# Altium PCB PuttPilot-Dev.PcbDoc (part 2 of 2) (continued)
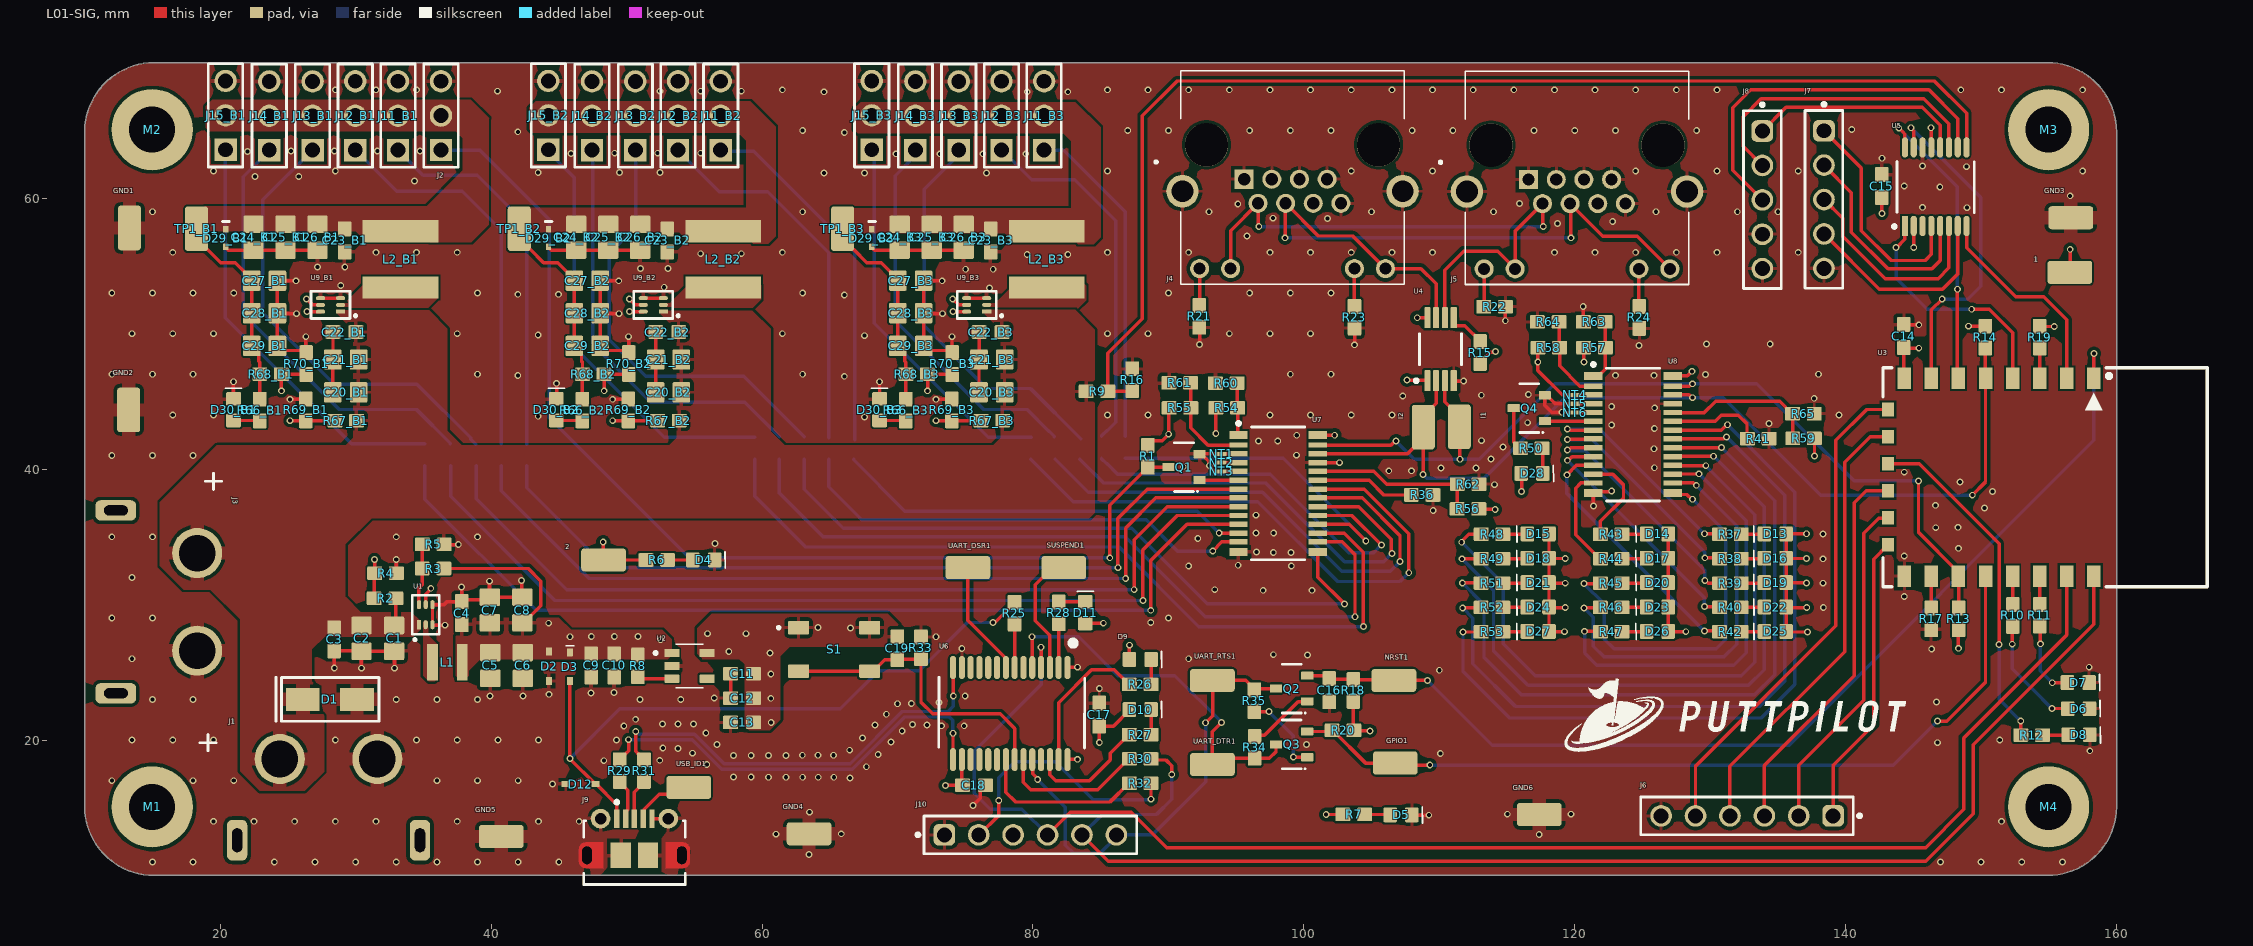
[diagram p0: L01-SIG view]
## Nets (pads, with @x,y where several pads share a name; then routed paths per layer and width w, separated by ;. In a path a pad name is that pad's centre, name@x,y a point inside that pad or via, vN(x,y) a via of type N, cw(c..) or ccw(c..) an arc to the next point about the centre after c; other vN are vias at no path point) (continued)
LED_PWM_10: R47.1 U8.17 | length 32.1
  L01-SIG w0.254: v1(120.725,28.025) 121.854,28.025 R47.1@121.893,27.986 ; U8.17@127.226,39.626 127.238,39.638 129.163,39.638 v1(129.175,39.65)
  L04-SIG w0.254: v1(120.725,28.025) 120.725,26.425 121.625,25.525 131.725,25.525 132.65,26.45 132.65,36.175 v1(129.175,39.65)
LED_PWM_10_n: D26.2 R47.2 | length 1.8
  L01-SIG w0.254: R47.2@123.493,27.986 123.495,27.988 125.273,27.988 D26.2@125.3,28.015
LED_PWM_11: R48.1 U8.18 | length 48.9
  L01-SIG w0.254: v1(111.65,34.6) 111.65,34.667 111.982,34.999 111.982,35.02 112.162,35.2 113.079,35.2 R48.1@113.093,35.186 ; U8.18@127.226,40.276 127.239,40.263 129.662,40.263 v1(129.675,40.25)
  L04-SIG w0.254: v1(111.65,34.6) 114.725,31.525 114.725,27.1 117.075,24.75 132.3,24.75 133.3,25.75 133.3,36.625 v1(129.675,40.25)
LED_PWM_11_n: D15.2 R48.2 | length 1.8
  L01-SIG w0.254: R48.2@114.693,35.186 114.695,35.188 116.473,35.188 D15.2@116.5,35.215
LED_PWM_12: R49.1 U8.19 | length 51
  L01-SIG w0.254: v1(111.675,33.375) 113.082,33.375 R49.1@113.093,33.386 ; U8.19@127.226,40.926 127.238,40.938 130.238,40.938 v1(130.25,40.95)
  L04-SIG w0.254: v1(111.675,33.375) 114,31.05 114,26.6 116.55,24.05 132.825,24.05 133.975,25.2 133.975,37.225 v1(130.25,40.95)
LED_PWM_12_n: D18.2 R49.2 | length 1.8
  L01-SIG w0.254: R49.2@114.693,33.386 114.695,33.388 116.473,33.388 D18.2@116.5,33.415
LED_PWM_13: R51.1 U8.20 | length 52.8
  L01-SIG w0.254: v1(111.7,31.6) 113.079,31.6 R51.1@113.093,31.586 ; U8.20@127.226,41.576 127.238,41.588 130.813,41.588 v1(130.825,41.6)
  L04-SIG w0.254: v1(111.7,31.6) 113.3,30 113.3,26.125 116.1,23.325 133.25,23.325 134.75,24.825 134.75,37.675 v1(130.825,41.6)
LED_PWM_13_n: D21.2 R51.2 | length 1.8
  L01-SIG w0.254: R51.2@114.693,31.586 114.695,31.588 116.473,31.588 D21.2@116.5,31.615
LED_PWM_14: R52.1 U8.21 | length 54.8
  L01-SIG w0.254: v1(111.725,29.75) 113.057,29.75 R52.1@113.093,29.786 ; U8.21@127.226,42.226 130.984,42.226 131.133,42.375 v1(131.2,42.375)
  L04-SIG w0.254: v1(111.725,29.75) 112.475,29 112.475,25.625 115.625,22.475 133.625,22.475 135.5,24.35 135.5,38.075 v1(131.2,42.375)
LED_PWM_14_n: D24.2 R52.2 | length 1.8
  L01-SIG w0.254: R52.2@114.693,29.786 114.695,29.788 116.473,29.788 D24.2@116.5,29.815
LED_PWM_15: R53.1 U8.22 | length 56.7
  L01-SIG w0.254: v1(111.75,27.975) 113.082,27.975 R53.1@113.093,27.986 ; U8.22@127.226,42.876 130.809,42.876 131.208,43.275 v1(131.275,43.275)
  L04-SIG w0.254: v1(111.75,27.975) 111.75,25.075 115.2,21.625 133.775,21.625 136.25,24.1 136.25,38.3 v1(131.275,43.275)
LED_PWM_15_n: D27.2 R53.2 | length 1.8
  L01-SIG w0.254: R53.2@114.693,27.986 114.695,27.988 116.473,27.988 D27.2@116.5,28.015
MUX_IN1: J7.1 U5.4 | length 16.9
  L01-SIG w0.254: J7.1@138.4,64.98 141.15,62.23 141.15,57.6 143.35,55.4 145.875,55.4 146.325,55.85 U5.4@146.325,57.95
MUX_IN2: J7.2 U5.5 | length 16.2
  L01-SIG w0.254: J7.2@138.4,62.44 140.425,60.415 140.425,57.5 143.125,54.8 146.375,54.8 146.975,55.4 U5.5@146.975,57.95
MUX_IN3: J7.3 U5.6 | length 15.9
  L01-SIG w0.254: J7.3@138.4,59.9 139.775,58.525 139.775,57.2 142.925,54.05 146.825,54.05 147.625,54.85 U5.6@147.625,57.95
MUX_IN4: J7.4 U5.7 | length 15.6
  L01-SIG w0.254: J7.4@138.4,57.36 142.485,53.275 147.15,53.275 148.275,54.4 U5.7@148.275,57.95
MUX_IN5: J8.1 U5.12 | length 16
  L01-SIG w0.254: J8.1@133.85,64.955 135.595,66.7 145.65,66.7 146.975,65.375 U5.12@146.975,63.75
MUX_IN6: J8.2 U5.11 | length 22.5
  L01-SIG w0.254: J8.2@133.85,62.415 132.425,63.84 132.425,66.025 133.75,67.35 145.775,67.35 147.625,65.5 U5.11@147.625,63.75
MUX_IN7: J8.3 U5.10 | length 27.9
  L01-SIG w0.254: J8.3@133.85,59.875 131.675,62.05 131.675,66.675 133,68 146.15,68 148.275,65.875 U5.10@148.275,63.75
nEN_IC_LED: R41.2 U8.23 | length 7
  L01-SIG w0.254: U8.23@127.226,43.526 130.376,43.526 130.825,43.975 132.075,43.975 132.718,43.332 132.718,42.282 R41.2@132.75,42.25
nEN_IC_PWM: R36.2 U7.23 | length 7.4
  L01-SIG w0.254: U7.23@101.026,39.176 104.824,39.176 105.911,38.089 R36.2@107.932,38.089
NetD4_1: D4.1 R6.1 | length 1.9
  L01-SIG w0.254: R6.1@53.032,33.289 54.889,33.289 D4.1@54.9,33.3
NetD5_1: D5.1 R7.1 | length 1.9
  L01-SIG w0.254: R7.1@104.482,14.504 104.484,14.502 106.348,14.502 D5.1@106.375,14.475
NetD6_1: D6.1 R10.1 | length 8.5
  L01-SIG w0.254: v1(152.3,27.075) 152.3,28.354 R10.1@152.339,28.393 ; v1(155.225,22.325) 156.385,22.325 D6.1@156.4,22.31
  L04-SIG w0.254: v1(152.3,27.075) 152.3,25.25 153.763,23.788 v1(155.225,22.325)
NetD7_1: D7.1 R11.1 | length 5.7
  L01-SIG w0.254: R11.1@154.339,28.418 154.375,28.382 v1(154.375,27.1) ; v1(155.25,24.225) 156.365,24.225 D7.1@156.375,24.235
  L04-SIG w0.254: v1(154.375,27.1) 154.375,25.1 v1(155.25,24.225)
NetD8_1: D8.1 R12.1 | length 1.9
  L01-SIG w0.254: R12.1@154.532,20.364 156.404,20.364 D8.1@156.425,20.385
NetD9_2: D9.2 R26.2 | length 1.9
  L01-SIG w0.254: R26.2@88.718,24.101 88.725,24.108 D9.2@88.725,25.95
NetD10_2: D10.2 R27.2 | length 1.9
  L01-SIG w0.254: R27.2@88.718,20.401 88.725,20.408 D10.2@88.725,22.25
NetD11_2: D11.2 R28.2 | length 2
  L01-SIG w0.254: R28.2@81.914,30.193 81.921,30.2 D11.2@83.865,30.2
NetD28_2: D28.2 R50.2 | length 1.9
  L01-SIG w0.254: R50.2@117.593,41.536 117.65,41.479 D28.2@117.65,39.685
NetD30_B1_1: D30_B1.1 R66_B1.1 | length 1.9
  L01-SIG w0.254: D30_B1.1@20.987,43.588 22.885,43.588 R66_B1.1@22.917,43.556
NetD30_B2_1: D30_B2.1 R66_B2.1 | length 1.9
  L01-SIG w0.254: D30_B2.1@44.812,43.588 46.71,43.588 R66_B2.1@46.742,43.556
NetD30_B3_1: D30_B3.1 R66_B3.1 | length 1.9
  L01-SIG w0.254: D30_B3.1@68.687,43.588 70.585,43.588 R66_B3.1@70.617,43.556
NetJ4_9: J4.9 R21.2 | length 2.7
  L01-SIG w0.254: R21.2@92.289,52.068 92.307,52.086 J4.9@92.307,54.8
NetJ4_11: J4.11 R23.2 | length 2.8
  L01-SIG w0.254: J4.11@103.737,54.8 103.737,52.02 R23.2@103.739,52.018
NetJ5_9: J5.9 R22.2 | length 2.8
  L01-SIG w0.254: R22.2@113.282,51.989 113.307,52.014 J5.9@113.307,54.78
NetJ5_11: J5.11 R24.2 | length 2.8
  L01-SIG w0.254: J5.11@124.737,54.78 124.737,52.02 R24.2@124.764,51.993
NetQ2_1: Q2.1 R34.1 | length 5
  L01-SIG w0.254: R34.1@96.361,20.257 96.452,20.348 97.093,20.348 99.568,22.823 100.223,22.823 Q2.1@100.25,22.85
NetQ3_1: Q3.1 R35.1 | length 6.2
  L01-SIG w0.254: R35.1@96.35,22.1 v1(97.425,22.1) ; v1(99.225,18.75) 99.237,18.738 100.234,18.738 Q3.1@100.246,18.727
  L04-SIG w0.254: v1(97.425,22.1) 99.225,20.3 v1(99.225,18.75)
NetQ4_3: Q4.3 R50.1 | length 3.2
  L01-SIG w0.254: Q4.3@115.496,44.502 115.496,41.983 115.943,41.536 R50.1@115.993,41.536
NRST: C16.2 NRST1.1 Q2.2 R18.1 U3.1 | length 77.7
  L01-SIG w0.254: Q2.2@100.25,24.75 101.657,24.75 C16.2@101.88,24.527 101.915,24.492 103.626,24.492 R18.1@103.661,24.457 106.593,24.457 NRST1.1@106.65,24.4 v1(109.125,24.4) ; U3.1@158.325,46.7 v1(158.325,48.525)
  L04-SIG w0.254: v1(109.125,24.4) 113.9,19.625 135.825,19.625 158.325,42.125 v1(158.325,48.525)
RX_LED: R26.1 U6.27 | length 10.9
  L01-SIG w0.254: U6.27@81.9,18.555 81.9,22.75 84.325,25.175 85.994,25.175 87.068,24.101 R26.1@87.118,24.101
SERVO_PWM_0: Q1.1 U7.6 | length 2.9
  L01-SIG w0.254: Q1.1@92.3,39.2 92.312,39.188 95.164,39.188 U7.6@95.176,39.176
SERVO_PWM_1_1: R71_B1.2 U7.7 | length 61.2
  L01-SIG w0.254: v1(86.275,32.725) 86.25,32.75 86.25,36.35 88.426,38.526 U7.7@95.176,38.526
  L04-SIG w0.254: R71_B1.2@42.639,40.257 42.639,38.636 48.55,32.725 v1(86.275,32.725)
SERVO_PWM_1_2: R71_B2.2 U7.12 | length 30.7
  L01-SIG w0.254: v1(93.75,35.275) U7.12@95.176,35.276
  L04-SIG w0.254: R71_B2.2@66.764,40.732 66.764,40.682 70.546,36.9 92.125,36.9 v1(93.75,35.275)
SERVO_PWM_1_3: R71_B3.2 U7.18 | length 24.3
  L01-SIG w0.254: U7.18@101.026,35.926 103.349,35.926 v1(104.575,34.7)
  L04-SIG w0.254: R71_B3.2@86.814,40.807 98.468,40.807 v1(104.575,34.7)
SERVO_PWM_1_OUT_B1: J11_B1.1 R71_B1.1 | length 28
  L04-SIG w0.254: J11_B1.1@33.125,63.55 34.975,61.7 38.975,61.7 42.639,58.036 R71_B1.1@42.639,41.832
SERVO_PWM_1_OUT_B2: J11_B2.1 R71_B2.1 | length 26.6
  L04-SIG w0.254: J11_B2.1@57.139,63.458 59.392,63.458 66.839,56.011 R71_B2.1@66.839,42.182
SERVO_PWM_1_OUT_B3: J11_B3.1 R71_B3.1 | length 24.5
  L04-SIG w0.254: J11_B3.1@80.825,63.55 82.275,63.55 86.814,59.011 R71_B3.1@86.814,42.407
SERVO_PWM_2_1: R72_B1.2 U7.8 | length 63.6
  L01-SIG w0.254: v1(86.85,31.925) 86.85,35.65 89.076,37.876 U7.8@95.176,37.876
  L04-SIG w0.254: R72_B1.2@40.764,40.257 40.764,38.411 47.25,31.925 v1(86.85,31.925)
SERVO_PWM_2_2: R72_B2.2 U7.13 | length 34.5
  L01-SIG w0.254: v1(93.275,33.95) 93.951,34.626 U7.13@95.176,34.626
  L04-SIG w0.254: R72_B2.2@64.939,40.732 64.939,38.686 67.375,36.25 88.375,36.25 90.675,33.95 v1(93.275,33.95)
SERVO_PWM_2_3: R72_B3.2 U7.19 | length 29.4
  L01-SIG w0.254: U7.19@101.026,36.576 103.549,36.576 v1(105.725,34.4)
  L04-SIG w0.254: R72_B3.2@85.064,40.807 85.064,40.757 85.437,40.384 85.487,40.384 86.246,39.625 97.525,39.625 103.325,33.825 105.15,33.825 v1(105.725,34.4)
SERVO_PWM_2_OUT_B1: J12_B1.1 R72_B1.1 | length 29
  L04-SIG w0.254: J12_B1.1@30.014,63.533 33.022,60.525 37.875,60.525 40.764,57.636 R72_B1.1@40.764,41.857
SERVO_PWM_2_OUT_B2: J12_B2.1 R72_B2.1 | length 27.8
  L04-SIG w0.254: J12_B2.1@53.894,63.433 56.852,60.475 60.425,60.475 64.914,55.986 R72_B2.1@64.914,42.307
SERVO_PWM_2_OUT_B3: J12_B3.1 R72_B3.1 | length 26.7
  L04-SIG w0.254: J12_B3.1@77.898,63.383 79.906,61.375 83.075,61.375 86.125,58.325 86.125,43.468 85.487,42.83 85.437,42.83 85.064,42.457 R72_B3.1@85.064,42.407
SERVO_PWM_3_1: R73_B1.2 U7.9 | length 66.2
  L01-SIG w0.254: v1(87.475,31.1) 87.475,34.775 89.926,37.226 U7.9@95.176,37.226
  L04-SIG w0.254: R73_B1.2@38.889,40.257 38.889,37.811 45.6,31.1 v1(87.475,31.1)
SERVO_PWM_3_2: R73_B2.2 U7.15 | length 50.3
  L01-SIG w0.254: U7.15@101.026,33.876 101.026,32.024 v1(103,30.05)
  L04-SIG w0.254: R73_B2.2@63.114,40.732 63.114,38.511 66,35.625 87.3,35.625 92.875,30.05 v1(103,30.05)
SERVO_PWM_3_3: R73_B3.2 U7.20 | length 33.9
  L01-SIG w0.254: U7.20@101.026,37.226 104.049,37.226 106.453,34.822 106.453,33.822 v1(106.5,33.775)
  L04-SIG w0.254: R73_B3.2@83.464,40.732 85.221,38.975 97.2,38.975 103,33.175 105.9,33.175 v1(106.5,33.775)
SERVO_PWM_3_OUT_B1: J13_B1.1 R73_B1.1 | length 33.3
  L04-SIG w0.254: J13_B1.1@26.814,63.533 23.15,59.869 23.15,51.55 28.432,46.268 34.528,46.268 38.491,42.305 38.491,42.205 R73_B1.1@38.864,41.832
SERVO_PWM_3_OUT_B2: J13_B2.1 R73_B2.1 | length 32.1
  L04-SIG w0.254: J13_B2.1@50.693,63.433 50.693,57.868 48.725,55.9 48.725,49.55 51.425,46.85 58.646,46.85 R73_B2.1@63.114,42.382
SERVO_PWM_3_OUT_B3: J13_B3.1 R73_B3.1 | length 29
  L04-SIG w0.254: J13_B3.1@74.697,63.383 71.975,60.661 71.975,50.575 76.6,45.95 79.821,45.95 R73_B3.1@83.539,42.232
SERVO_PWM_4_1: R74_B1.2 U7.10 | length 68.4
  L01-SIG w0.254: v1(88.125,30.3) 88.1,30.325 88.1,34.025 90.651,36.576 U7.10@95.176,36.576
  L04-SIG w0.254: R74_B1.2@37.014,40.257 37.014,37.986 44.7,30.3 v1(88.125,30.3)
SERVO_PWM_4_2: R74_B2.2 U7.16 | length 56.5
  L01-SIG w0.254: U7.16@101.026,34.626 102.824,34.626 103.775,33.675 v1(103.775,29.1)
  L04-SIG w0.254: R74_B2.2@61.289,40.732 61.289,38.211 64.5,35 86.825,35 92.725,29.1 v1(103.775,29.1)
SERVO_PWM_4_3: R74_B3.2 U7.21 | length 38.3
  L01-SIG w0.254: U7.21@101.026,37.876 104.299,37.876 107.1,35.075 v1(107.1,33.175)
  L04-SIG w0.254: R74_B3.2@81.639,40.732 84.071,38.3 96.95,38.3 102.8,32.45 106.375,32.45 v1(107.1,33.175)
SERVO_PWM_4_OUT_B1: J14_B1.1 R74_B1.1 | length 32.1
  L04-SIG w0.254: J14_B1.1@23.635,63.507 21.7,61.572 21.7,51.475 28.775,44.4 34.496,44.4 36.989,41.907 R74_B1.1@36.989,41.857
SERVO_PWM_4_OUT_B2: J14_B2.1 R74_B2.1 | length 30.7
  L04-SIG w0.254: J14_B2.1@47.514,63.307 47.514,49.236 51.8,44.95 58.721,44.95 R74_B2.1@61.289,42.382
SERVO_PWM_4_OUT_B3: J14_B3.1 R74_B3.1 | length 28.5
  L04-SIG w0.254: J14_B3.1@71.518,63.357 69.825,61.664 69.825,50.95 76.375,44.4 79.571,44.4 81.166,42.805 81.216,42.805 81.589,42.432 R74_B3.1@81.589,42.382
SERVO_PWM_5_1: R75_B1.2 U7.11 | length 70.7
  L01-SIG w0.254: v1(88.7,29.575) 88.7,33.25 91.376,35.926 U7.11@95.176,35.926
  L04-SIG w0.254: R75_B1.2@35.114,40.257 35.114,37.786 43.325,29.575 v1(88.7,29.575)
SERVO_PWM_5_2: R75_B2.2 U7.17 | length 61.1
  L01-SIG w0.254: U7.17@101.026,35.276 102.974,35.276 104.4,33.85 v1(104.4,28.375)
  L04-SIG w0.254: R75_B2.2@59.464,40.732 59.464,38.011 63.225,34.25 86.375,34.25 92.25,28.375 v1(104.4,28.375)
SERVO_PWM_5_3: R75_B3.2 U7.22 | length 42.9
  L01-SIG w0.254: U7.22@101.026,38.526 104.449,38.526 107.75,35.225 v1(107.75,32.35)
  L04-SIG w0.254: R75_B3.2@79.839,40.732 82.971,37.6 96.6,37.6 102.5,31.7 107.1,31.7 v1(107.75,32.35)
SERVO_PWM_5_OUT_B1: J15_B1.1 R75_B1.1 | length 31
  L04-SIG w0.254: J15_B1.1@20.388,63.575 20.388,51.162 29.693,41.857 R75_B1.1@35.089,41.857
SERVO_PWM_5_OUT_B2: J15_B2.1 R75_B2.1 | length 31.2
  L04-SIG w0.254: J15_B2.1@44.267,63.382 46.125,61.524 46.125,49 52.768,42.357 R75_B2.1@59.464,42.357
SERVO_PWM_5_OUT_B3: J15_B3.1 R75_B3.1 | length 27.7
  L04-SIG w0.254: J15_B3.1@68.271,63.332 68.271,50.779 76.693,42.357 R75_B3.1@79.889,42.357
SPI_CLK: J6.1 U3.14 | length 21.7
  L01-SIG w0.254: J6.1@139.075,14.4 139.075,18.125 142.075,21.125 142.075,33.35 U3.14@143.125,34.4
SPI_CS: J6.5 U3.9 | length 36.8
  L01-SIG w0.254: J6.5@128.915,14.4 128.915,18.065 139.275,28.425 139.275,42.125 141.55,44.4 U3.9@143.125,44.4
SPI_MISO: J6.4 U3.10 | length 33.6
  L01-SIG w0.254: J6.4@131.455,14.4 131.455,18.055 139.925,26.525 139.925,40.5 141.825,42.4 U3.10@143.125,42.4
SPI_MOSI: J6.2 U3.13 | length 25.1
  L01-SIG w0.254: J6.2@136.535,14.4 136.535,18.135 141.325,22.925 141.325,35.25 142.443,36.368 143.093,36.368 U3.13@143.125,36.4
SUSPEND: SUSPEND1.1 U6.3 | length 9.2
  L01-SIG w0.254: U6.3@81.25,25.355 81.25,27.725 80.175,28.8 80.175,31.471 81.429,32.725 SUSPEND1.1@82.275,32.725
TEST_SERVO_PWM: J2.1 Q1.3 R1.1 | length 79.8
  L01-SIG w0.254: v1(85.675,33.45) 85.675,37.329 R1.1@88.489,40.143 88.496,40.15 Q1.3@90,40.15
  L04-SIG w0.254: J2.1@36.299,63.554 39.171,63.554 44.3,58.425 44.3,43.775 54.625,33.45 v1(85.675,33.45)
TX_LED: R28.1 U6.2 | length 3.2
  L01-SIG w0.254: U6.2@81.9,25.355 81.9,28.579 R28.1@81.914,28.593
UART_CTS: J10.2 R32.2 | length 18.9
  L01-SIG w0.254: J10.2@76,13 76.05,13 77.475,14.425 v1(77.475,15.525) ; v1(88.718,15.632) R32.2@88.718,16.801
  L04-SIG w0.254: v1(77.475,15.525) 77.475,17.225 78.65,18.4 81.65,18.4 84.45,15.6 88.686,15.6 v1(88.718,15.632)
UART_CTS_N: R32.1 U6.21 | length 12.4
  L01-SIG w0.254: U6.21@78,18.555 78,16.15 78.725,15.425 85.692,15.425 87.068,16.801 R32.1@87.118,16.801
UART_DSR: U6.8 UART_DSR1.1 | length 8.5
  L01-SIG w0.254: UART_DSR1.1@75.2,32.725 75.2,28.839 77.852,26.188 77.852,26.181 78,26.033 U6.8@78,25.355
UART_DTR: Q3.3 R34.2 U6.5 UART_DTR1.1 | length 27.9
  L01-SIG w0.254: v1(79.925,27.625) 79.937,27.613 79.937,25.367 U6.5@79.95,25.355 ; v1(93.925,21.3) 93.25,20.625 UART_DTR1.1@93.25,18.2 93.707,18.657 97.457,18.657 97.945,19.145 Q3.3@97.946,19.677 Q3.3@97.946,19.677
  L04-SIG w0.254: v1(79.925,27.625) 83.375,27.625 86.25,24.75 90.475,24.75 v1(93.925,21.3)
UART_RTS: J10.6 Q2.3 R35.2 U6.24 UART_RTS1.1 | length 33
  L01-SIG w0.254: U6.24@79.95,18.555 79.987,18.517 79.987,17.505 80.35,17.142 v1(80.35,17.075) ; v1(92.75,21.275) 93.275,21.8 93.275,24.375 UART_RTS1.1@93.25,24.4 95.7,24.4 96.35,23.75 R35.2@96.35,23.7 96.45,23.8 Q2.3@97.95,23.8
  L04-SIG w0.254: v1(80.35,17.075) 82.4,15.025 82.4,12.225 83,11.625 84.95,11.625 86.16,12.835 J10.6@86.16,13 88.825,13 92.75,16.925 v1(92.75,21.275)
UART_RX_ESP_TO_CY7: J10.4 U3.21 U6.4 | length 112
  L01-SIG w0.254: U6.4@80.6,25.355 v1(80.6,26.85) ; J10.4@81.08,13 82.755,14.675 87.25,14.675 89.875,12.05 145.9,12.05 148.725,14.875 148.725,20.15 156.325,27.75 U3.21@156.325,32.1
  L04-SIG w0.254: v1(80.6,26.85) 80.6,24.1 75.675,19.175 75.675,16.075 76.85,14.9 79.18,14.9 J10.4@81.08,13
UART_TX_ESP_TO_CY7: J10.5 R30.2 U3.22 | length 101.2
  L01-SIG w0.254: J10.5@83.62,13 85.57,11.05 145.925,11.05 149.425,14.55 149.425,19.65 158.325,28.55 U3.22@158.325,32.1 ; R30.2@88.718,18.601 88.794,18.525 89.825,18.525 90.25,18.1 v1(90.25,17.45)
  L04-SIG w0.254: J10.5@83.62,13 85.12,14.5 89.125,14.5 90.25,15.625 v1(90.25,17.45)
UART_TX_N: R30.1 U6.23 | length 10.7
  L01-SIG w0.254: U6.23@79.3,18.555 79.3,16.875 79.85,16.325 84.792,16.325 87.068,18.601 R30.1@87.118,18.601
USB_DN: R29.2 U6.15 | length 31.2
  L01-SIG w0.254: R29.2@49.489,18.543 49.489,18.593 49.862,18.966 49.912,18.966 50.15,19.204 v1(50.15,20.025) ; U6.15@74.1,18.555 v1(74.1,20.5)
  L04-SIG w0.254: v1(50.15,20.025) 54.85,20.025 57.025,17.85 66.675,17.85 70.525,21.7 73.825,21.7 74.075,21.45 74.075,20.525 v1(74.1,20.5)
USB_DN_n: J9.2 R29.1 | length 3.1
  L01-SIG w0.254: R29.1@49.489,16.943 49.489,16.893 50.1,16.282 50.1,14.835 49.93,14.665 J9.2@49.93,14.19
USB_DP: R31.2 U6.14 | length 31.4
  L01-SIG w0.254: v1(50.677,20.623) 50.677,19.155 50.866,18.966 50.916,18.966 51.289,18.593 R31.2@51.289,18.543 ; U6.14@74.1,25.355 74.112,25.342 74.112,23.263 v1(74.125,23.25)
  L04-SIG w0.254: v1(50.677,20.623) 50.744,20.623 50.938,20.429 55.017,20.429 57.192,18.254 66.508,18.254 70.358,22.104 73.75,22.104 74.125,22.479 v1(74.125,23.25)
USB_DP_n: J9.3 R31.1 | length 3.1
  L01-SIG w0.254: J9.3@50.58,14.19 50.554,14.216 50.554,16.158 51.289,16.893 R31.1@51.289,16.943
USB_ID: J9.4 USB_ID1.1 | length 4.7
  L01-SIG w0.254: J9.4@51.23,14.19 51.303,14.263 51.303,14.88 52.413,15.989 54.089,15.989 USB_ID1.1@54.6,16.5
USB_WAKE: C19.2 R33.2 S1.3 S1.4 U6.22 | length 22.6
  L01-SIG w0.254: S1.3@62.7,25.09 S1.4@67.95,25.09 68.225,25.09 69.058,25.923 C19.2@69.995,25.923 70.037,25.965 71.694,25.965 R33.2@71.736,26.007 71.736,22.789 72.6,21.925 77.575,21.925 78.65,20.85 U6.22@78.65,18.555
VBUS: R25.1 U6.7 | length 3.2
  L01-SIG w0.254: R25.1@78.639,28.568 78.65,28.557 U6.7@78.65,25.355
VBUS_USB: D3.1 D12.2 J9.1 R25.2 | length 49.2
  L01-SIG w0.254: D3.1@45.815,24.36 45.815,18.625 D12.2@47.69,16.75 47.76,16.75 49.28,15.23 J9.1@49.28,14.19 ; v1(77.05,28.675) 77.097,28.722 77.243,28.722 78.514,29.993 R25.2@78.514,30.193
  L04-SIG w0.254: v1(45.825,18.625) 49.5,22.3 65.775,22.3 68.6,25.125 71.6,25.125 75.15,28.675 v1(77.05,28.675)
VCFG: R27.1 U6.26 | length 8.9
  L01-SIG w0.254: U6.26@81.25,18.555 81.25,17.45 81.7,17 84.175,17 85.7,18.525 85.7,19.033 87.068,20.401 R27.1@87.118,20.401
pads on no net: J1.MH0 J1.MH1 J3.MH0 J3.MH1 J4. J5. M1.1 M2.1 M3.1 M4.1 U2.4 U5.3 U6.6 U6.9 U6.10 U6.11 U6.12 U6.17 U6.18 U6.19 U6.20 U6.25

## Polygon pours and split planes (outlines as drawn)
6V_BUS1 on L01-SIG "6V_BUS1_L01_P010" (solid, pour order 10): 30.7,56.9 36.125,56.9 36.475,57.25 36.475,58.475 35.55,59.4 18.875,59.4 18.35,58.875 18.35,57.975 18.75,57.575 30.025,57.575
6V_SW_B1 on L01-SIG "6V_SW_B1_L01_P011" (solid, remove dead copper, pour order 11): 28.625,52.057 28.757,51.92 35.345,51.92 36.05,52.625 36.05,53.675 35.725,54 35.725,54.075 31.028,54.075 29.229,52.276 28.751,52.276 28.625,52.15
GND on L01-SIG "GND_L01_P030" (solid, remove dead copper, pour order 30): 15.1,10 cw(c15.1,15.1) 10,15.1 10,64.9 cw(c15.1,64.9) 15.1,70 15.101,70 154.899,70 154.9,70 cw(c154.9,64.9) 160,64.9 160,59.4 160,20.125 160,15.05 cw(c154.9,15.1) 154.9,10
3V3 on L01-SIG "3V3_L01_P028" (solid, pour order 28): 55.575,26.025 55.575,25.975 58.325,25.975 58.725,25.575 58.725,21.05 59.05,20.725 60.575,20.725 61.35,21.5 61.35,26.2 62.05,26.9 68.05,26.9 70.225,26.9 70.55,27.225 70.55,28.075 69.3,29.325 56.3,29.325 55.225,28.25 55.225,26.375
5V on L01-SIG "5V_L01_P026" (solid, pour order 26): 37.375,24.75 37.65,24.475 38.075,24.475 38.35,24.75 38.35,25.1 39.2,25.95 53.025,25.95 53.325,26.25 53.325,27.425 52.625,28.125 45.9,28.125 45,29.025 37.775,29.025 37.375,28.625 37.375,27.575
5V_SW on L01-SIG "5V_SW_L01_P025" (solid, pour order 25): 34.975,28.7 34.975,24.75 35.4,24.325 35.85,24.325 36,24.475 36,27.1 35.375,27.725 35.375,28.7 35.275,28.8 35.075,28.8
12V on L01-SIG "12V_L01_P024" (solid, pour order 24): 27.702,27.627 34.252,27.627 34.757,28.132 34.757,28.793 34.1,29.45 30.375,29.45 29.3,30.525 29.25,30.525 29.25,34.45 31.175,36.375 84.175,36.375 84.575,36.775 84.575,41.75 19.75,41.75 15.55,37.55 15.55,32.875 17.325,31.1 19.275,31.1 21.475,28.9 21.475,17.7 22.925,16.25 26.25,16.25 27.675,17.675 27.675,23.425 26.775,24.325 26.775,26.7
12V on L01-SIG "12V_L01_P008" (solid, remove dead copper, pour order 8): 52.58,51.705 52.525,51.65 52.525,51.425 53.7,50.25 53.7,42.3 52.825,41.425 62.025,41.425 60.65,42.8 60.65,50.35 59.295,51.705
6V_SW_B3 on L01-SIG "6V_SW_B3_L01_P023" (solid, remove dead copper, pour order 23): 76.508,51.907 76.64,51.77 83.229,51.77 83.933,52.475 83.933,53.525 83.608,53.85 83.608,53.925 78.911,53.925 77.112,52.126 76.635,52.126 76.508,52
6V_SW_B2 on L01-SIG "6V_SW_B2_L01_P022" (solid, remove dead copper, pour order 22): 52.504,51.957 52.636,51.82 59.225,51.82 59.929,52.525 59.929,53.575 59.604,53.9 59.604,53.975 54.907,53.975 53.108,52.176 52.631,52.176 52.504,52.05
6V_BUS3 on L01-SIG "6V_BUS3_L01_P020" (solid, pour order 20): 78.583,56.75 84.008,56.75 84.358,57.1 84.358,58.325 83.433,59.25 66.758,59.25 66.233,58.725 66.233,57.825 66.633,57.425 77.908,57.425
6V_BUS2 on L01-SIG "6V_BUS2_L01_P019" (solid, pour order 19): 54.579,56.8 60.004,56.8 60.354,57.15 60.354,58.375 59.429,59.3 42.754,59.3 42.229,58.775 42.229,57.875 42.629,57.475 53.904,57.475
6V_BUS3 on L01-SIG "6V_BUS3_L01_P017" (solid, pour order 17): 67.295,67.1 83.129,67.1 85.004,65.225 85.004,57.125 84.479,56.6 83.358,56.6 82.829,57.129 82.829,58.971 82.829,64.2 82.254,64.775 67.083,64.775 66.808,65.05 66.808,66.633
6V_BUS2 on L01-SIG "6V_BUS2_L01_P014" (solid, pour order 14): 43.291,67.15 59.125,67.15 61,65.275 61,57.175 60.475,56.65 59.354,56.65 58.825,57.179 58.825,59.021 58.825,64.25 58.25,64.825 43.079,64.825 42.804,65.1 42.804,66.683
6V_BUS1 on L01-SIG "6V_BUS1_L01_P013" (solid, pour order 13): 19.412,67.25 38.5,67.25 39.85,65.9 39.825,65.875 39.825,58.05 38.525,56.75 35.475,56.75 34.6,57.625 34.6,58.9 34.725,58.9 37.9,62.075 37.9,64.425 37.4,64.925 19.2,64.925 18.925,65.2 18.925,66.783
12V on L01-SIG "12V_L01_P007" (solid, remove dead copper, pour order 7): 28.7,51.725 28.65,51.675 28.65,51.45 29.825,50.275 29.825,42.325 28.95,41.45 38.15,41.45 36.775,42.825 36.775,50.375 35.425,51.725
12V on L01-SIG "tga" (solid, remove dead copper, pour order 9): 84.575,41.425 84.575,50.3 83.126,51.749 76.549,51.749 76.45,51.65 76.45,51.425 77.625,50.25 77.625,42.3 76.75,41.425
GND on L02-GND "GND_L02_P021" (solid, remove dead copper, pour order 21): 15.1,10 cw(c15.1,15.1) 10,15.1 10,64.9 cw(c15.1,64.9) 15.1,70 15.101,70 154.899,70 154.9,70 cw(c154.9,64.9) 160,64.9 160,59.4 160,20.125 160,15.05 cw(c154.9,15.1) 154.9,10
GND on L03-PWR "GND_L03_P032" (solid, remove dead copper, pour order 32): 15.1,10 cw(c15.1,15.1) 10,15.1 10,64.9 cw(c15.1,64.9) 15.1,70 15.101,70 154.899,70 154.9,70 cw(c154.9,64.9) 160,64.9 160,59.4 160,20.125 160,15.05 cw(c154.9,15.1) 154.9,10
5V on L03-PWR "5V_L03_P029" (solid, pour order 29): 41.45,27.05 42.1,26.4 53.5,26.4 54.3,27.2 54.3,30 55.7,31.4 88.8,31.4 93.8,26.4 136.55,26.4 138.125,27.975 138.125,44.225 134.4,47.95 116.425,47.95 111.7,43.225 88.9,43.225 80.975,35.3 45.325,35.3 41.425,31.4 41.45,31.375
3V3 on L03-PWR "3V3_L03_P027" (solid, remove dead copper, pour order 27): 140.25,63.775 140.25,54.275 138.95,52.975 105.575,52.975 104.425,51.825 104.425,46.75 105.1,46.075 112.6,46.075 116.5,49.975 136.738,49.975 140.25,46.486 140.25,27.675 136.9,24.325 92.45,24.325 87.55,29.225 56.05,29.225 55.275,28.45 55.275,13.35 57.55,11.075 57.575,11.1 142.825,11.1 157.425,25.7 157.425,56.875 148.325,65.975 142.45,65.975
GND on L04-SIG "GND_L04_P031" (solid, remove dead copper, pour order 31): 15.1,10 cw(c15.1,15.1) 10,15.1 10,64.9 cw(c15.1,64.9) 15.1,70 15.101,70 154.899,70 154.9,70 cw(c154.9,64.9) 160,64.9 160,59.4 160,20.125 160,15.05 cw(c154.9,15.1) 154.9,10

## Silkscreen, mask and mechanical layers (free items; w line width, h text height)
Top Overlay:
  drawing of 12 lines, arcs and shapes, not listed
Bottom Overlay:
  drawing of 12 lines, arcs and shapes, not listed
  text "PuttPilot Dev Control | October 2024 / Ethan Abraham / Christopher Chung / Ria Narang / Nicholas Rampertab / Aidan Wilson" at 141.2,18.9 h1.27
M1 Board Outline:
  lines w0.254: 154.899,70 24.55,70 15.101,70 ccw(c15.1,64.9) 10,64.9 10,15.1 ccw(c15.1,15.1) 15.1,10 154.9,10 ccw(c154.9,15.1) 160,15.05 160,20.125 160,59.4 160,64.9 ccw(c154.9,64.9) 154.9,70

## Text inside footprints (layer, text, board x,y; h text height)
J9: M1 Board Outline "PCB EDGE" at 43.38,9.94 h0.3
U3: Top 3D Body "CUTOUT POLYGON" at 165.64,45.901 h0.25 r270; Top 3D Body "ANTENNA AREA" at 166.148,45.901 h0.25 r270